# EAGLE board Mk4 Final a Panel score 2x5 (EAGLE 9.0.1), part 12 of 29
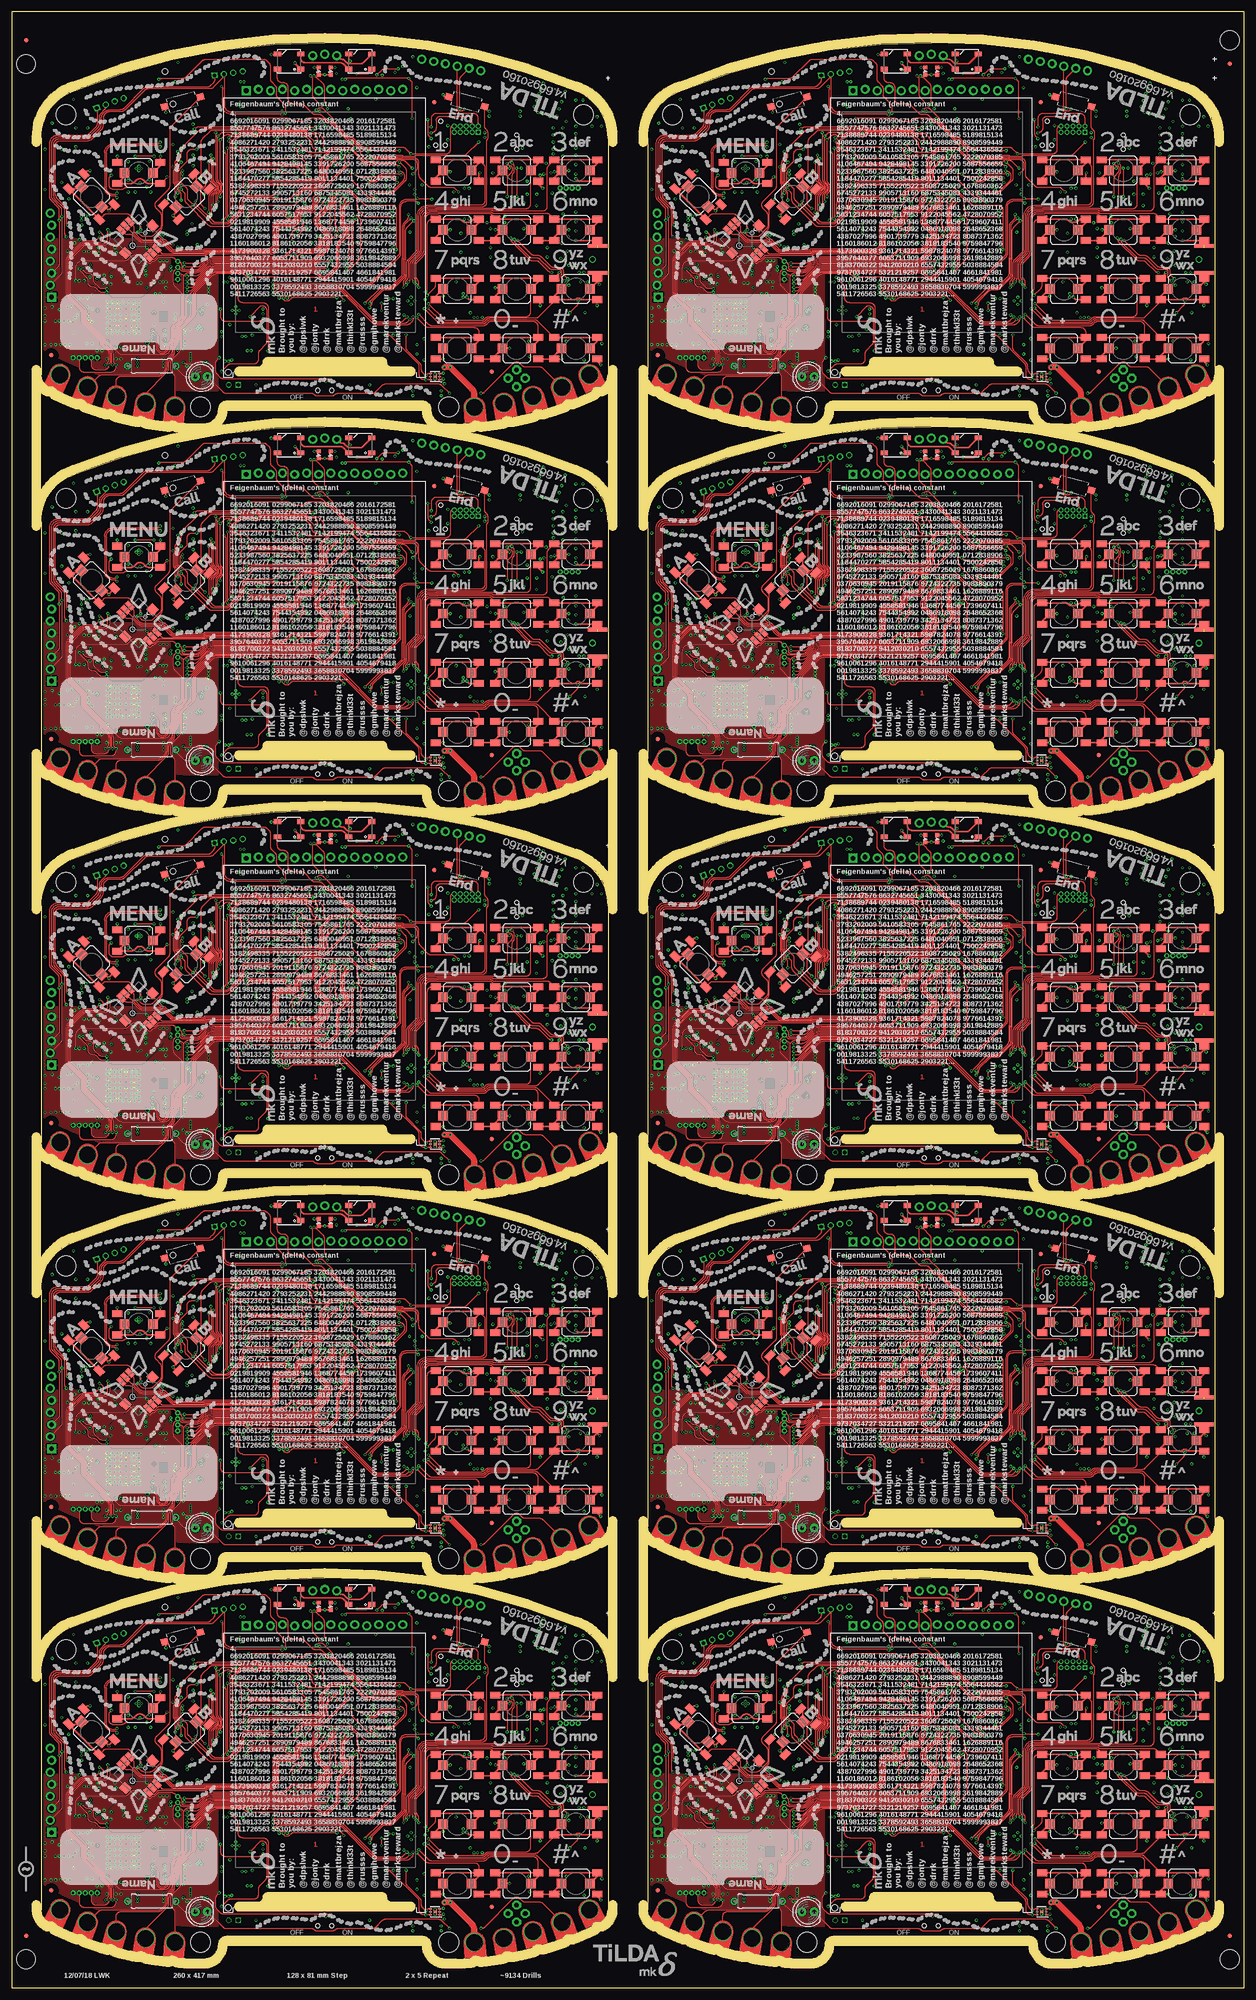
[diagram p0: board, top side]
## Tracks (layer width: path | path; a pad name or v marks a point on that pad's centre or on a via) (continued)
CC_IRQ9  (via drill 0.3) (continued)
  Top 0.15: v148.25,347.44 148.28,347.41 148.28,347.23 150.56,344.94 arc45 151.26,344.65 160.15,344.65 arc90 161.4,345.9 arc-45 161.91,347.14 161.96,347.19 arc45 162.4,348.25 162.4,349.6 arc-45 162.99,351.01 164.12,352.15 arc45 164.56,353.21 164.56,356.02 arc-45 164.86,356.73 169.99,361.86 arc-45 171.05,362.3 191.69,362.3 arc-45 192.39,362.01 192.91,361.49 arc45 193.61,361.2 193.89,361.2 arc45 194.59,361.49 196.21,363.11 arc45 196.5,363.81 196.5,367.68 arc-45 196.94,368.74 197.96,369.76 arc45 198.32,370.64 198.32,371.09 198.3,371.12 arc45 198.12,371.56 197.89,371.78 arc-45 197.6,372.49 197.6,375.44 arc-45 197.89,376.15 198.13,376.39 arc45 198.28,376.74 198.28,377.27 arc-45 198.42,377.62 v198.8,378
  Bottom 0.15: R774.1 148.25,345.75 v148.25,347.44 IC173.15 | IC164.123 200.82,378.8 arc45 200.78,378.78 arc-45 200.63,378.73 200.37,378.73 arc-45 200.22,378.78 200.17,378.84 arc45 200.03,378.9 198.07,378.9 arc90 197.57,378.4 197.57,378.2 arc90 198.07,377.7 198.5,377.7 v198.8,378
CC_RCT_XTAL_N
  Bottom 0.25: C100.2 32.05,27.25 X3.P$1 31.25,27.2 arc-90 30.75,27.7 30.75,29.44 arc45 30.6,29.8 30.15,30.25 arc45 29.79,30.4 29.56,30.4 arc-45 29.2,30.55 29.15,30.6 arc45 28.79,30.75 IC15.52
CC_RCT_XTAL_N1
  Bottom 0.25: C208.2 160.05,27.25 X7.P$1 159.25,27.2 arc-90 158.75,27.7 158.75,29.44 arc45 158.6,29.8 158.15,30.25 arc45 157.79,30.4 157.56,30.4 arc-45 157.2,30.55 157.15,30.6 arc45 156.79,30.75 IC29.52
CC_RCT_XTAL_N2
  Bottom 0.25: C316.2 32.05,108.25 X11.P$1 31.25,108.2 arc-90 30.75,108.7 30.75,110.44 arc45 30.6,110.8 30.15,111.25 arc45 29.79,111.4 29.56,111.4 arc-45 29.2,111.55 29.15,111.6 arc45 28.79,111.75 IC47.52
CC_RCT_XTAL_N3
  Bottom 0.25: C424.2 160.05,108.25 X15.P$1 159.25,108.2 arc-90 158.75,108.7 158.75,110.44 arc45 158.6,110.8 158.15,111.25 arc45 157.79,111.4 157.56,111.4 arc-45 157.2,111.55 157.15,111.6 arc45 156.79,111.75 IC65.52
CC_RCT_XTAL_N4
  Bottom 0.25: C532.2 32.05,189.25 X19.P$1 31.25,189.2 arc-90 30.75,189.7 30.75,191.44 arc45 30.6,191.8 30.15,192.25 arc45 29.79,192.4 29.56,192.4 arc-45 29.2,192.55 29.15,192.6 arc45 28.79,192.75 IC83.52
CC_RCT_XTAL_N5
  Bottom 0.25: C640.2 160.05,189.25 X23.P$1 159.25,189.2 arc-90 158.75,189.7 158.75,191.44 arc45 158.6,191.8 158.15,192.25 arc45 157.79,192.4 157.56,192.4 arc-45 157.2,192.55 157.15,192.6 arc45 156.79,192.75 IC101.52
CC_RCT_XTAL_N6
  Bottom 0.25: C748.2 32.05,270.25 X27.P$1 31.25,270.2 arc-90 30.75,270.7 30.75,272.44 arc45 30.6,272.8 30.15,273.25 arc45 29.79,273.4 29.56,273.4 arc-45 29.2,273.55 29.15,273.6 arc45 28.79,273.75 IC119.52
CC_RCT_XTAL_N7
  Bottom 0.25: C856.2 160.05,270.25 X31.P$1 159.25,270.2 arc-90 158.75,270.7 158.75,272.44 arc45 158.6,272.8 158.15,273.25 arc45 157.79,273.4 157.56,273.4 arc-45 157.2,273.55 157.15,273.6 arc45 156.79,273.75 IC137.52
CC_RCT_XTAL_N8
  Bottom 0.25: C964.2 32.05,351.25 X35.P$1 31.25,351.2 arc-90 30.75,351.7 30.75,353.44 arc45 30.6,353.8 30.15,354.25 arc45 29.79,354.4 29.56,354.4 arc-45 29.2,354.55 29.15,354.6 arc45 28.79,354.75 IC155.52
CC_RCT_XTAL_N9
  Bottom 0.25: C1072.2 160.05,351.25 X39.P$1 159.25,351.2 arc-90 158.75,351.7 158.75,353.44 arc45 158.6,353.8 158.15,354.25 arc45 157.79,354.4 157.56,354.4 arc-45 157.2,354.55 157.15,354.6 arc45 156.79,354.75 IC173.52
CC_RESERVED@1
  Bottom 0.15: IC29.19 146.72,25.75 arc90 146.47,25.5 146.47,24.53 147,24.01 R143.1
CC_RESERVED@2
  Bottom 0.15: IC47.19 18.73,106.75 arc90 18.48,106.5 18.48,105.53 19,105.01 R221.1
CC_RESERVED@3
  Bottom 0.15: IC65.19 146.72,106.75 arc90 146.47,106.5 146.47,105.53 147,105.01 R299.1
CC_RESERVED@4
  Bottom 0.15: IC83.19 18.73,187.75 arc90 18.48,187.5 18.48,186.53 19,186.01 R377.1
CC_RESERVED@5
  Bottom 0.15: IC101.19 146.72,187.75 arc90 146.47,187.5 146.47,186.53 147,186.01 R455.1
CC_RESERVED@6
  Bottom 0.15: IC119.19 18.73,268.75 arc90 18.48,268.5 18.48,267.53 19,267.01 R533.1
CC_RESERVED@7
  Bottom 0.15: IC137.19 146.72,268.75 arc90 146.47,268.5 146.47,267.53 147,267.01 R611.1
CC_RESERVED@8
  Bottom 0.15: IC155.19 18.73,349.75 arc90 18.48,349.5 18.48,348.53 19,348.01 R689.1
CC_RESERVED@9
  Bottom 0.15: IC173.19 146.72,349.75 arc90 146.47,349.5 146.47,348.53 147,348.01 R767.1
CC_RESERVED@19
  Bottom 0.15: IC15.19 18.73,25.75 arc90 18.48,25.5 18.48,24.53 19,24.01 R65.1
CC_RTC_XTAL_P
  Bottom 0.25: C101.2 32.05,30.25 X3.P$2 30.91,30.3 arc-45 30.55,30.45 30.32,30.68 arc45 29.97,30.82 29.85,30.82 arc-45 29.5,30.97 29.37,31.1 arc45 29.01,31.25 IC15.51
CC_RTC_XTAL_P1
  Bottom 0.25: C209.2 160.05,30.25 X7.P$2 158.91,30.3 arc-45 158.55,30.45 158.32,30.68 arc45 157.97,30.82 157.85,30.82 arc-45 157.5,30.97 157.37,31.1 arc45 157.01,31.25 IC29.51
CC_RTC_XTAL_P2
  Bottom 0.25: C317.2 32.05,111.25 X11.P$2 30.91,111.3 arc-45 30.55,111.45 30.32,111.68 arc45 29.97,111.83 29.85,111.83 arc-45 29.5,111.97 29.37,112.1 arc45 29.01,112.25 IC47.51
CC_RTC_XTAL_P3
  Bottom 0.25: C425.2 160.05,111.25 X15.P$2 158.91,111.3 arc-45 158.55,111.45 158.32,111.68 arc45 157.97,111.83 157.85,111.83 arc-45 157.5,111.97 157.37,112.1 arc45 157.01,112.25 IC65.51
CC_RTC_XTAL_P4
  Bottom 0.25: C533.2 32.05,192.25 X19.P$2 30.91,192.3 arc-45 30.55,192.45 30.32,192.68 arc45 29.97,192.82 29.85,192.82 arc-45 29.5,192.97 29.37,193.1 arc45 29.01,193.25 IC83.51
CC_RTC_XTAL_P5
  Bottom 0.25: C641.2 160.05,192.25 X23.P$2 158.91,192.3 arc-45 158.55,192.45 158.32,192.68 arc45 157.97,192.82 157.85,192.82 arc-45 157.5,192.97 157.37,193.1 arc45 157.01,193.25 IC101.51
CC_RTC_XTAL_P6
  Bottom 0.25: C749.2 32.05,273.25 X27.P$2 30.91,273.3 arc-45 30.55,273.45 30.32,273.68 arc45 29.97,273.82 29.85,273.82 arc-45 29.5,273.97 29.37,274.1 arc45 29.01,274.25 IC119.51
CC_RTC_XTAL_P7
  Bottom 0.25: C857.2 160.05,273.25 X31.P$2 158.91,273.3 arc-45 158.55,273.45 158.32,273.68 arc45 157.97,273.82 157.85,273.82 arc-45 157.5,273.97 157.37,274.1 arc45 157.01,274.25 IC137.51
CC_RTC_XTAL_P8
  Bottom 0.25: C965.2 32.05,354.25 X35.P$2 30.91,354.3 arc-45 30.55,354.45 30.32,354.68 arc45 29.97,354.82 29.85,354.82 arc-45 29.5,354.97 29.37,355.1 arc45 29.01,355.25 IC155.51
CC_RTC_XTAL_P9
  Bottom 0.25: C1073.2 160.05,354.25 X39.P$2 158.91,354.3 arc-45 158.55,354.45 158.32,354.68 arc45 157.97,354.82 157.85,354.82 arc-45 157.5,354.97 157.37,355.1 arc45 157.01,355.25 IC173.51
CC_TEST1
  Bottom 0.15: IC29.62 156.32,25.75 arc-90 156.53,25.55 156.53,23.27 TP38.TP
CC_TEST2
  Bottom 0.15: IC47.62 28.33,106.75 arc-90 28.52,106.55 28.52,104.28 TP57.TP
CC_TEST3
  Bottom 0.15: IC65.62 156.32,106.75 arc-90 156.53,106.55 156.53,104.28 TP76.TP
CC_TEST4
  Bottom 0.15: IC83.62 28.33,187.75 arc-90 28.52,187.55 28.52,185.28 TP95.TP
CC_TEST5
  Bottom 0.15: IC101.62 156.32,187.75 arc-90 156.53,187.55 156.53,185.28 TP114.TP
CC_TEST6
  Bottom 0.15: IC119.62 28.33,268.75 arc-90 28.52,268.55 28.52,266.27 TP133.TP
CC_TEST7
  Bottom 0.15: IC137.62 156.32,268.75 arc-90 156.53,268.55 156.53,266.27 TP152.TP
CC_TEST8
  Bottom 0.15: IC155.62 28.33,349.75 arc-90 28.52,349.55 28.52,347.27 TP171.TP
CC_TEST9
  Bottom 0.15: IC173.62 156.32,349.75 arc-90 156.53,349.55 156.53,347.27 TP190.TP
CC_TEST62
  Bottom 0.15: IC15.62 28.33,25.75 arc-90 28.52,25.55 28.52,23.27 TP19.TP
CC_WLAN_XTAL_
  Bottom 0.15: X4.3 13.88,24.32 14.51,24.96 arc-45 15.21,25.25 16.04,25.25 arc-45 16.74,24.96 C99.2 arc90 17.88,25.68 17.88,26.5 arc-90 18.62,27.25 IC15.22
CC_WLAN_XTAL_1
  Bottom 0.15: X8.3 141.88,24.32 142.51,24.96 arc-45 143.21,25.25 144.04,25.25 arc-45 144.74,24.96 C207.2 arc90 145.88,25.68 145.88,26.5 arc-90 146.62,27.25 IC29.22
CC_WLAN_XTAL_2
  Bottom 0.15: X12.3 13.88,105.33 14.51,105.96 arc-45 15.21,106.25 16.04,106.25 arc-45 16.74,105.96 C315.2 arc90 17.88,106.67 17.88,107.5 arc-90 18.62,108.25 IC47.22
CC_WLAN_XTAL_3
  Bottom 0.15: X16.3 141.88,105.33 142.51,105.96 arc-45 143.21,106.25 144.04,106.25 arc-45 144.74,105.96 C423.2 arc90 145.88,106.67 145.88,107.5 arc-90 146.62,108.25 IC65.22
CC_WLAN_XTAL_4
  Bottom 0.15: X20.3 13.88,186.32 14.51,186.96 arc-45 15.21,187.25 16.04,187.25 arc-45 16.74,186.96 C531.2 arc90 17.88,187.68 17.88,188.5 arc-90 18.62,189.25 IC83.22
CC_WLAN_XTAL_5
  Bottom 0.15: X24.3 141.88,186.32 142.51,186.96 arc-45 143.21,187.25 144.04,187.25 arc-45 144.74,186.96 C639.2 arc90 145.88,187.68 145.88,188.5 arc-90 146.62,189.25 IC101.22
CC_WLAN_XTAL_6
  Bottom 0.15: X28.3 13.88,267.32 14.51,267.96 arc-45 15.21,268.25 16.04,268.25 arc-45 16.74,267.96 C747.2 arc90 17.88,268.68 17.88,269.5 arc-90 18.62,270.25 IC119.22
CC_WLAN_XTAL_7
  Bottom 0.15: X32.3 141.88,267.32 142.51,267.96 arc-45 143.21,268.25 144.04,268.25 arc-45 144.74,267.96 C855.2 arc90 145.88,268.68 145.88,269.5 arc-90 146.62,270.25 IC137.22
CC_WLAN_XTAL_8
  Bottom 0.15: X36.3 13.88,348.32 14.51,348.96 arc-45 15.21,349.25 16.04,349.25 arc-45 16.74,348.96 C963.2 arc90 17.88,349.68 17.88,350.5 arc-90 18.62,351.25 IC155.22
CC_WLAN_XTAL_9
  Bottom 0.15: X40.3 141.88,348.32 142.51,348.96 arc-45 143.21,349.25 144.04,349.25 arc-45 144.74,348.96 C1071.2 arc90 145.88,349.68 145.88,350.5 arc-90 146.62,351.25 IC173.22
CC_WLAN_XTAL_P
  Bottom 0.15: X4.1 16.38,25.75 C98.2 arc90 17.58,26.38 17.58,26.75 arc-90 18.58,27.75 IC15.23
CC_WLAN_XTAL_P1
  Bottom 0.15: X8.1 144.38,25.75 C206.2 arc90 145.57,26.38 145.57,26.75 arc-90 146.57,27.75 IC29.23
CC_WLAN_XTAL_P2
  Bottom 0.15: X12.1 16.38,106.75 C314.2 arc90 17.58,107.38 17.58,107.75 arc-90 18.58,108.75 IC47.23
CC_WLAN_XTAL_P3
  Bottom 0.15: X16.1 144.38,106.75 C422.2 arc90 145.57,107.38 145.57,107.75 arc-90 146.57,108.75 IC65.23
CC_WLAN_XTAL_P4
  Bottom 0.15: X20.1 16.38,187.75 C530.2 arc90 17.58,188.38 17.58,188.75 arc-90 18.58,189.75 IC83.23
CC_WLAN_XTAL_P5
  Bottom 0.15: X24.1 144.38,187.75 C638.2 arc90 145.57,188.38 145.57,188.75 arc-90 146.57,189.75 IC101.23
CC_WLAN_XTAL_P6
  Bottom 0.15: X28.1 16.38,268.75 C746.2 arc90 17.58,269.38 17.58,269.75 arc-90 18.58,270.75 IC119.23
CC_WLAN_XTAL_P7
  Bottom 0.15: X32.1 144.38,268.75 C854.2 arc90 145.57,269.38 145.57,269.75 arc-90 146.57,270.75 IC137.23
CC_WLAN_XTAL_P8
  Bottom 0.15: X36.1 16.38,349.75 C962.2 arc90 17.58,350.38 17.58,350.75 arc-90 18.58,351.75 IC155.23
CC_WLAN_XTAL_P9
  Bottom 0.15: X40.1 144.38,349.75 C1070.2 arc90 145.57,350.38 145.57,350.75 arc-90 146.57,351.75 IC173.23
DCDC_ANA_SW
  Bottom 0.25: 22.25,36.7 IC15.38
  Bottom 0.4: L7.2 21.6,38.21 arc45 21.89,37.51 21.96,37.44 arc-45 22.25,36.74 22.25,36.7
DCDC_ANA_SW1
  Bottom 0.25: 150.25,36.7 IC29.38
  Bottom 0.4: L16.2 149.6,38.21 arc45 149.89,37.51 149.96,37.44 arc-45 150.25,36.74 150.25,36.7
DCDC_ANA_SW2
  Bottom 0.25: 22.25,117.7 IC47.38
  Bottom 0.4: L25.2 21.6,119.21 arc45 21.89,118.51 21.96,118.44 arc-45 22.25,117.74 22.25,117.7
DCDC_ANA_SW3
  Bottom 0.25: 150.25,117.7 IC65.38
  Bottom 0.4: L34.2 149.6,119.21 arc45 149.89,118.51 149.96,118.44 arc-45 150.25,117.74 150.25,117.7
DCDC_ANA_SW4
  Bottom 0.25: 22.25,198.7 IC83.38
  Bottom 0.4: L43.2 21.6,200.21 arc45 21.89,199.51 21.96,199.44 arc-45 22.25,198.74 22.25,198.7
DCDC_ANA_SW5
  Bottom 0.25: 150.25,198.7 IC101.38
  Bottom 0.4: L52.2 149.6,200.21 arc45 149.89,199.51 149.96,199.44 arc-45 150.25,198.74 150.25,198.7
DCDC_ANA_SW6
  Bottom 0.25: 22.25,279.7 IC119.38
  Bottom 0.4: L61.2 21.6,281.21 arc45 21.89,280.51 21.96,280.44 arc-45 22.25,279.74 22.25,279.7
DCDC_ANA_SW7
  Bottom 0.25: 150.25,279.7 IC137.38
  Bottom 0.4: L70.2 149.6,281.21 arc45 149.89,280.51 149.96,280.44 arc-45 150.25,279.74 150.25,279.7
DCDC_ANA_SW8
  Bottom 0.25: 22.25,360.7 IC155.38
  Bottom 0.4: L79.2 21.6,362.21 arc45 21.89,361.51 21.96,361.44 arc-45 22.25,360.74 22.25,360.7
DCDC_ANA_SW9
  Bottom 0.25: 150.25,360.7 IC173.38
  Bottom 0.4: L88.2 149.6,362.21 arc45 149.89,361.51 149.96,361.44 arc-45 150.25,360.74 150.25,360.7
DCDC_DIG_SW
  Bottom 0.25: IC15.43 24.75,33.79 arc-45 25.04,34.49 25.56,35.01 arc45 25.85,35.71 arc-45 26.12,36.37 26.21,36.46 arc-45 26.91,36.75 29.85,36.75 L9.2
DCDC_DIG_SW1
  Bottom 0.25: IC29.43 152.75,33.79 arc-45 153.04,34.49 153.56,35.01 arc45 153.85,35.71 arc-45 154.12,36.37 154.21,36.46 arc-45 154.91,36.75 157.85,36.75 L18.2
DCDC_DIG_SW2
  Bottom 0.25: IC47.43 24.75,114.79 arc-45 25.04,115.49 25.56,116.01 arc45 25.85,116.71 arc-45 26.12,117.37 26.21,117.46 arc-45 26.91,117.75 29.85,117.75 L27.2
DCDC_DIG_SW3
  Bottom 0.25: IC65.43 152.75,114.79 arc-45 153.04,115.49 153.56,116.01 arc45 153.85,116.71 arc-45 154.12,117.37 154.21,117.46 arc-45 154.91,117.75 157.85,117.75 L36.2
DCDC_DIG_SW4
  Bottom 0.25: IC83.43 24.75,195.79 arc-45 25.04,196.49 25.56,197.01 arc45 25.85,197.71 arc-45 26.12,198.37 26.21,198.46 arc-45 26.91,198.75 29.85,198.75 L45.2
DCDC_DIG_SW5
  Bottom 0.25: IC101.43 152.75,195.79 arc-45 153.04,196.49 153.56,197.01 arc45 153.85,197.71 arc-45 154.12,198.37 154.21,198.46 arc-45 154.91,198.75 157.85,198.75 L54.2
DCDC_DIG_SW6
  Bottom 0.25: IC119.43 24.75,276.79 arc-45 25.04,277.49 25.56,278.01 arc45 25.85,278.71 arc-45 26.12,279.37 26.21,279.46 arc-45 26.91,279.75 29.85,279.75 L63.2
DCDC_DIG_SW7
  Bottom 0.25: IC137.43 152.75,276.79 arc-45 153.04,277.49 153.56,278.01 arc45 153.85,278.71 arc-45 154.12,279.37 154.21,279.46 arc-45 154.91,279.75 157.85,279.75 L72.2
DCDC_DIG_SW8
  Bottom 0.25: IC155.43 24.75,357.79 arc-45 25.04,358.49 25.56,359.01 arc45 25.85,359.71 arc-45 26.12,360.37 26.21,360.46 arc-45 26.91,360.75 29.85,360.75 L81.2
DCDC_DIG_SW9
  Bottom 0.25: IC173.43 152.75,357.79 arc-45 153.04,358.49 153.56,359.01 arc45 153.85,359.71 arc-45 154.12,360.37 154.21,360.46 arc-45 154.91,360.75 157.85,360.75 L90.2
DCDC_PA_SW_N
  Bottom 0.25: IC15.41 23.75,34.29 arc-45 24.04,34.99 24.75,35.7
  Bottom 0.3: 24.75,35.7 24.75,35.76 25,36.01 25,38 25.1,38.1
  Bottom 0.5: 25.1,38.1 25.1,39.59 arc45 24.95,39.95 24.3,40.6 L8.1
DCDC_PA_SW_N1
  Bottom 0.25: IC29.41 151.75,34.29 arc-45 152.04,34.99 152.75,35.7
  Bottom 0.3: 152.75,35.7 152.75,35.76 153,36.01 153,38 153.1,38.1
  Bottom 0.5: 153.1,38.1 153.1,39.59 arc45 152.95,39.95 152.3,40.6 L17.1
DCDC_PA_SW_N2
  Bottom 0.25: IC47.41 23.75,115.29 arc-45 24.04,115.99 24.75,116.7
  Bottom 0.3: 24.75,116.7 24.75,116.76 25,117.01 25,119 25.1,119.1
  Bottom 0.5: 25.1,119.1 25.1,120.59 arc45 24.95,120.95 24.3,121.6 L26.1
DCDC_PA_SW_N3
  Bottom 0.25: IC65.41 151.75,115.29 arc-45 152.04,115.99 152.75,116.7
  Bottom 0.3: 152.75,116.7 152.75,116.76 153,117.01 153,119 153.1,119.1
  Bottom 0.5: 153.1,119.1 153.1,120.59 arc45 152.95,120.95 152.3,121.6 L35.1
DCDC_PA_SW_N4
  Bottom 0.25: IC83.41 23.75,196.29 arc-45 24.04,196.99 24.75,197.7
  Bottom 0.3: 24.75,197.7 24.75,197.76 25,198.01 25,200 25.1,200.1
  Bottom 0.5: 25.1,200.1 25.1,201.59 arc45 24.95,201.95 24.3,202.6 L44.1
DCDC_PA_SW_N5
  Bottom 0.25: IC101.41 151.75,196.29 arc-45 152.04,196.99 152.75,197.7
  Bottom 0.3: 152.75,197.7 152.75,197.76 153,198.01 153,200 153.1,200.1
  Bottom 0.5: 153.1,200.1 153.1,201.59 arc45 152.95,201.95 152.3,202.6 L53.1
DCDC_PA_SW_N6
  Bottom 0.25: IC119.41 23.75,277.29 arc-45 24.04,277.99 24.75,278.7
  Bottom 0.3: 24.75,278.7 24.75,278.76 25,279.01 25,281 25.1,281.1
  Bottom 0.5: 25.1,281.1 25.1,282.59 arc45 24.95,282.95 24.3,283.6 L62.1
DCDC_PA_SW_N7
  Bottom 0.25: IC137.41 151.75,277.29 arc-45 152.04,277.99 152.75,278.7
  Bottom 0.3: 152.75,278.7 152.75,278.76 153,279.01 153,281 153.1,281.1
  Bottom 0.5: 153.1,281.1 153.1,282.59 arc45 152.95,282.95 152.3,283.6 L71.1
DCDC_PA_SW_N8
  Bottom 0.25: IC155.41 23.75,358.29 arc-45 24.04,358.99 24.75,359.7
  Bottom 0.3: 24.75,359.7 24.75,359.76 25,360.01 25,362 25.1,362.1
  Bottom 0.5: 25.1,362.1 25.1,363.59 arc45 24.95,363.95 24.3,364.6 L80.1
DCDC_PA_SW_N9
  Bottom 0.25: IC173.41 151.75,358.29 arc-45 152.04,358.99 152.75,359.7
  Bottom 0.3: 152.75,359.7 152.75,359.76 153,360.01 153,362 153.1,362.1
  Bottom 0.5: 153.1,362.1 153.1,363.59 arc45 152.95,363.95 152.3,364.6 L89.1
DCDC_PA_SW_P
  Bottom 0.25: IC15.40 23.25,34.55 arc-45 23.54,35.26 24.25,35.97 24.45,36.17
  Bottom 0.4: L8.2 24.45,38.4 24.45,36.17
DCDC_PA_SW_P1
  Bottom 0.25: IC29.40 151.25,34.55 arc-45 151.54,35.26 152.25,35.97 152.45,36.17
  Bottom 0.4: L17.2 152.45,38.4 152.45,36.17
DCDC_PA_SW_P2
  Bottom 0.25: IC47.40 23.25,115.55 arc-45 23.54,116.26 24.25,116.97 24.45,117.17
  Bottom 0.4: L26.2 24.45,119.4 24.45,117.17
DCDC_PA_SW_P3
  Bottom 0.25: IC65.40 151.25,115.55 arc-45 151.54,116.26 152.25,116.97 152.45,117.17
  Bottom 0.4: L35.2 152.45,119.4 152.45,117.17
DCDC_PA_SW_P4
  Bottom 0.25: IC83.40 23.25,196.55 arc-45 23.54,197.26 24.25,197.97 24.45,198.17
  Bottom 0.4: L44.2 24.45,200.4 24.45,198.17
DCDC_PA_SW_P5
  Bottom 0.25: IC101.40 151.25,196.55 arc-45 151.54,197.26 152.25,197.97 152.45,198.17
  Bottom 0.4: L53.2 152.45,200.4 152.45,198.17
DCDC_PA_SW_P6
  Bottom 0.25: IC119.40 23.25,277.55 arc-45 23.54,278.26 24.25,278.97 24.45,279.17
  Bottom 0.4: L62.2 24.45,281.4 24.45,279.17
DCDC_PA_SW_P7
  Bottom 0.25: IC137.40 151.25,277.55 arc-45 151.54,278.26 152.25,278.97 152.45,279.17
  Bottom 0.4: L71.2 152.45,281.4 152.45,279.17
DCDC_PA_SW_P8
  Bottom 0.25: IC155.40 23.25,358.55 arc-45 23.54,359.26 24.25,359.97 24.45,360.17
  Bottom 0.4: L80.2 24.45,362.4 24.45,360.17
DCDC_PA_SW_P9
  Bottom 0.25: IC173.40 151.25,358.55 arc-45 151.54,359.26 152.25,359.97 152.45,360.17
  Bottom 0.4: L89.2 152.45,362.4 152.45,360.17
EN0RXI_N
  Bottom 0.22: IC1.53 57.41,60.8 57.4,60.81 55.1,60.81 arc-90 52.81,63.1 52.81,63.3 52.81,70.8 arc-90 56.2,74.19 62.3,74.19 arc90 63.22,75.1 63.22,75.6 JP7.6
EN0RXI_N1
  Bottom 0.22: IC20.53 185.42,60.8 185.4,60.81 183.1,60.81 arc-90 180.81,63.1 180.81,63.3 180.81,70.8 arc-90 184.2,74.19 190.3,74.19 arc90 191.22,75.1 191.22,75.6 JP12.6
EN0RXI_N2
  Bottom 0.22: IC38.53 57.41,141.8 57.4,141.81 55.1,141.81 arc-90 52.81,144.1 52.81,144.3 52.81,151.8 arc-90 56.2,155.19 62.3,155.19 arc90 63.22,156.1 63.22,156.6 JP21.6
EN0RXI_N3
  Bottom 0.22: IC56.53 185.42,141.8 185.4,141.81 183.1,141.81 arc-90 180.81,144.1 180.81,144.3 180.81,151.8 arc-90 184.2,155.19 190.3,155.19 arc90 191.22,156.1 191.22,156.6 JP30.6
EN0RXI_N4
  Bottom 0.22: IC74.53 57.41,222.8 57.4,222.81 55.1,222.81 arc-90 52.81,225.1 52.81,225.3 52.81,232.8 arc-90 56.2,236.19 62.3,236.19 arc90 63.22,237.1 63.22,237.6 JP39.6
EN0RXI_N5
  Bottom 0.22: IC92.53 185.42,222.8 185.4,222.81 183.1,222.81 arc-90 180.81,225.1 180.81,225.3 180.81,232.8 arc-90 184.2,236.19 190.3,236.19 arc90 191.22,237.1 191.22,237.6 JP48.6
EN0RXI_N6
  Bottom 0.22: IC110.53 57.41,303.8 57.4,303.81 55.1,303.81 arc-90 52.81,306.1 52.81,306.3 52.81,313.8 arc-90 56.2,317.19 62.3,317.19 arc90 63.22,318.1 63.22,318.6 JP57.6
EN0RXI_N7
  Bottom 0.22: IC128.53 185.42,303.8 185.4,303.81 183.1,303.81 arc-90 180.81,306.1 180.81,306.3 180.81,313.8 arc-90 184.2,317.19 190.3,317.19 arc90 191.22,318.1 191.22,318.6 JP66.6
EN0RXI_N8
  Bottom 0.22: IC146.53 57.41,384.8 57.4,384.81 55.1,384.81 arc-90 52.81,387.1 52.81,387.3 52.81,394.8 arc-90 56.2,398.19 62.3,398.19 arc90 63.22,399.1 63.22,399.6 JP75.6
EN0RXI_N9
  Bottom 0.22: IC164.53 185.42,384.8 185.4,384.81 183.1,384.81 arc-90 180.81,387.1 180.81,387.3 180.81,394.8 arc-90 184.2,398.19 190.3,398.19 arc90 191.22,399.1 191.22,399.6 JP84.6
EN0RXI_P
  Bottom 0.22: IC1.54 57.41,61.2 57.4,61.19 55.1,61.19 arc-90 53.19,63.1 53.19,63.28 53.19,63.3 53.19,70.8 arc-90 56.2,73.81 62.3,73.81 arc90 63.59,75.1 63.59,75.23 JP7.7
EN0RXI_P1
  Bottom 0.22: IC20.54 185.42,61.2 185.4,61.19 183.1,61.19 arc-90 181.19,63.1 181.19,63.28 181.19,63.3 181.19,70.8 arc-90 184.2,73.81 190.3,73.81 arc90 191.58,75.1 191.58,75.23 JP12.7
EN0RXI_P2
  Bottom 0.22: IC38.54 57.41,142.2 57.4,142.19 55.1,142.19 arc-90 53.19,144.1 53.19,144.28 53.19,144.3 53.19,151.8 arc-90 56.2,154.81 62.3,154.81 arc90 63.59,156.1 63.59,156.23 JP21.7
EN0RXI_P3
  Bottom 0.22: IC56.54 185.42,142.2 185.4,142.19 183.1,142.19 arc-90 181.19,144.1 181.19,144.28 181.19,144.3 181.19,151.8 arc-90 184.2,154.81 190.3,154.81 arc90 191.58,156.1 191.58,156.23 JP30.7
EN0RXI_P4
  Bottom 0.22: IC74.54 57.41,223.2 57.4,223.19 55.1,223.19 arc-90 53.19,225.1 53.19,225.28 53.19,225.3 53.19,232.8 arc-90 56.2,235.81 62.3,235.81 arc90 63.59,237.1 63.59,237.23 JP39.7
EN0RXI_P5
  Bottom 0.22: IC92.54 185.42,223.2 185.4,223.19 183.1,223.19 arc-90 181.19,225.1 181.19,225.28 181.19,225.3 181.19,232.8 arc-90 184.2,235.81 190.3,235.81 arc90 191.58,237.1 191.58,237.23 JP48.7
EN0RXI_P6
  Bottom 0.22: IC110.54 57.41,304.2 57.4,304.19 55.1,304.19 arc-90 53.19,306.1 53.19,306.28 53.19,306.3 53.19,313.8 arc-90 56.2,316.81 62.3,316.81 arc90 63.59,318.1 63.59,318.23 JP57.7
EN0RXI_P7
  Bottom 0.22: IC128.54 185.42,304.2 185.4,304.19 183.1,304.19 arc-90 181.19,306.1 181.19,306.28 181.19,306.3 181.19,313.8 arc-90 184.2,316.81 190.3,316.81 arc90 191.58,318.1 191.58,318.23 JP66.7
EN0RXI_P8
  Bottom 0.22: IC146.54 57.41,385.2 57.4,385.19 55.1,385.19 arc-90 53.19,387.1 53.19,387.28 53.19,387.3 53.19,394.8 arc-90 56.2,397.81 62.3,397.81 arc90 63.59,399.1 63.59,399.23 JP75.7
EN0RXI_P9
  Bottom 0.22: IC164.54 185.42,385.2 185.4,385.19 183.1,385.19 arc-90 181.19,387.1 181.19,387.28 181.19,387.3 181.19,394.8 arc-90 184.2,397.81 190.3,397.81 arc90 191.58,399.1 191.58,399.23 JP84.7
EN0TXO_N
  Bottom 0.22: IC1.56 57.41,62 57.4,62.02 55.25,62.02 arc-90 53.87,63.4 53.87,70.45 arc-90 56.6,73.19 62.61,73.19 arc45 63.32,73.48 64.53,74.69 arc-45 65.24,74.98 72.36,74.98 arc-45 73.07,74.69 74.03,73.73 arc45 74.74,73.44 77.15,73.44 arc90 78.52,74.8 78.52,75.54 JP7.12
EN0TXO_N1
  Bottom 0.22: IC20.56 185.42,62 185.4,62.02 183.25,62.02 arc-90 181.87,63.4 181.87,70.45 arc-90 184.6,73.19 190.61,73.19 arc45 191.32,73.48 192.53,74.69 arc-45 193.24,74.98 200.36,74.98 arc-45 201.07,74.69 202.03,73.73 arc45 202.74,73.44 205.15,73.44 arc90 206.51,74.8 206.51,75.54 JP12.12
EN0TXO_N2
  Bottom 0.22: IC38.56 57.41,143 57.4,143.01 55.25,143.01 arc-90 53.87,144.4 53.87,151.45 arc-90 56.6,154.19 62.61,154.19 arc45 63.32,154.48 64.53,155.69 arc-45 65.24,155.99 72.36,155.99 arc-45 73.07,155.69 74.03,154.73 arc45 74.74,154.44 77.15,154.44 arc90 78.52,155.8 78.52,156.54 JP21.12
EN0TXO_N3
  Bottom 0.22: IC56.56 185.42,143 185.4,143.01 183.25,143.01 arc-90 181.87,144.4 181.87,151.45 arc-90 184.6,154.19 190.61,154.19 arc45 191.32,154.48 192.53,155.69 arc-45 193.24,155.99 200.36,155.99 arc-45 201.07,155.69 202.03,154.73 arc45 202.74,154.44 205.15,154.44 arc90 206.51,155.8 206.51,156.54 JP30.12
EN0TXO_N4
  Bottom 0.22: IC74.56 57.41,224 57.4,224.01 55.25,224.01 arc-90 53.87,225.4 53.87,232.45 arc-90 56.6,235.19 62.61,235.19 arc45 63.32,235.48 64.53,236.69 arc-45 65.24,236.99 72.36,236.99 arc-45 73.07,236.69 74.03,235.73 arc45 74.74,235.44 77.15,235.44 arc90 78.52,236.8 78.52,237.54 JP39.12
EN0TXO_N5
  Bottom 0.22: IC92.56 185.42,224 185.4,224.01 183.25,224.01 arc-90 181.87,225.4 181.87,232.45 arc-90 184.6,235.19 190.61,235.19 arc45 191.32,235.48 192.53,236.69 arc-45 193.24,236.99 200.36,236.99 arc-45 201.07,236.69 202.03,235.73 arc45 202.74,235.44 205.15,235.44 arc90 206.51,236.8 206.51,237.54 JP48.12
EN0TXO_N6
  Bottom 0.22: IC110.56 57.41,305 57.4,305.01 55.25,305.01 arc-90 53.87,306.4 53.87,313.45 arc-90 56.6,316.19 62.61,316.19 arc45 63.32,316.48 64.53,317.69 arc-45 65.24,317.99 72.36,317.99 arc-45 73.07,317.69 74.03,316.73 arc45 74.74,316.44 77.15,316.44 arc90 78.52,317.8 78.52,318.54 JP57.12
EN0TXO_N7
  Bottom 0.22: IC128.56 185.42,305 185.4,305.01 183.25,305.01 arc-90 181.87,306.4 181.87,313.45 arc-90 184.6,316.19 190.61,316.19 arc45 191.32,316.48 192.53,317.69 arc-45 193.24,317.99 200.36,317.99 arc-45 201.07,317.69 202.03,316.73 arc45 202.74,316.44 205.15,316.44 arc90 206.51,317.8 206.51,318.54 JP66.12
EN0TXO_N8
  Bottom 0.22: IC146.56 57.41,386 57.4,386.01 55.25,386.01 arc-90 53.87,387.4 53.87,394.45 arc-90 56.6,397.19 62.61,397.19 arc45 63.32,397.48 64.53,398.69 arc-45 65.24,398.99 72.36,398.99 arc-45 73.07,398.69 74.03,397.73 arc45 74.74,397.44 77.15,397.44 arc90 78.52,398.8 78.52,399.54 JP75.12
EN0TXO_N9
  Bottom 0.22: IC164.56 185.42,386 185.4,386.01 183.25,386.01 arc-90 181.87,387.4 181.87,394.45 arc-90 184.6,397.19 190.61,397.19 arc45 191.32,397.48 192.53,398.69 arc-45 193.24,398.99 200.36,398.99 arc-45 201.07,398.69 202.03,397.73 arc45 202.74,397.44 205.15,397.44 arc90 206.51,398.8 206.51,399.54 JP84.12
EN0TXO_P
  Bottom 0.22: IC1.57 57.41,62.4 57.4,62.38 55.25,62.38 arc-90 54.23,63.4 54.23,63.9 54.23,64 54.23,64.08 54.23,70.45 arc-90 56.6,72.81 62.76,72.81 arc45 63.47,73.11 64.68,74.32 arc-45 65.39,74.61 72.21,74.61 arc-45 72.92,74.32 73.88,73.36 arc45 74.59,73.06 77.15,73.06 arc90 78.89,74.8 78.89,75.29 JP7.13
EN0TXO_P1
  Bottom 0.22: IC20.57 185.42,62.4 185.4,62.38 183.25,62.38 arc-90 182.24,63.4 182.24,63.9 182.24,64 182.24,64.08 182.24,70.45 arc-90 184.6,72.81 190.76,72.81 arc45 191.47,73.11 192.68,74.32 arc-45 193.39,74.61 200.21,74.61 arc-45 200.92,74.32 201.88,73.36 arc45 202.59,73.06 205.15,73.06 arc90 206.88,74.8 206.88,75.29 JP12.13
EN0TXO_P2
  Bottom 0.22: IC38.57 57.41,143.4 57.4,143.38 55.25,143.38 arc-90 54.23,144.4 54.23,144.9 54.23,145 54.23,145.08 54.23,151.45 arc-90 56.6,153.81 62.76,153.81 arc45 63.47,154.11 64.68,155.32 arc-45 65.39,155.62 72.21,155.62 arc-45 72.92,155.32 73.88,154.36 arc45 74.59,154.06 77.15,154.06 arc90 78.89,155.8 78.89,156.29 JP21.13